# Altium PCB IDC_MCX_Adapter.PCBDOC (part 2 of 3) (continued)
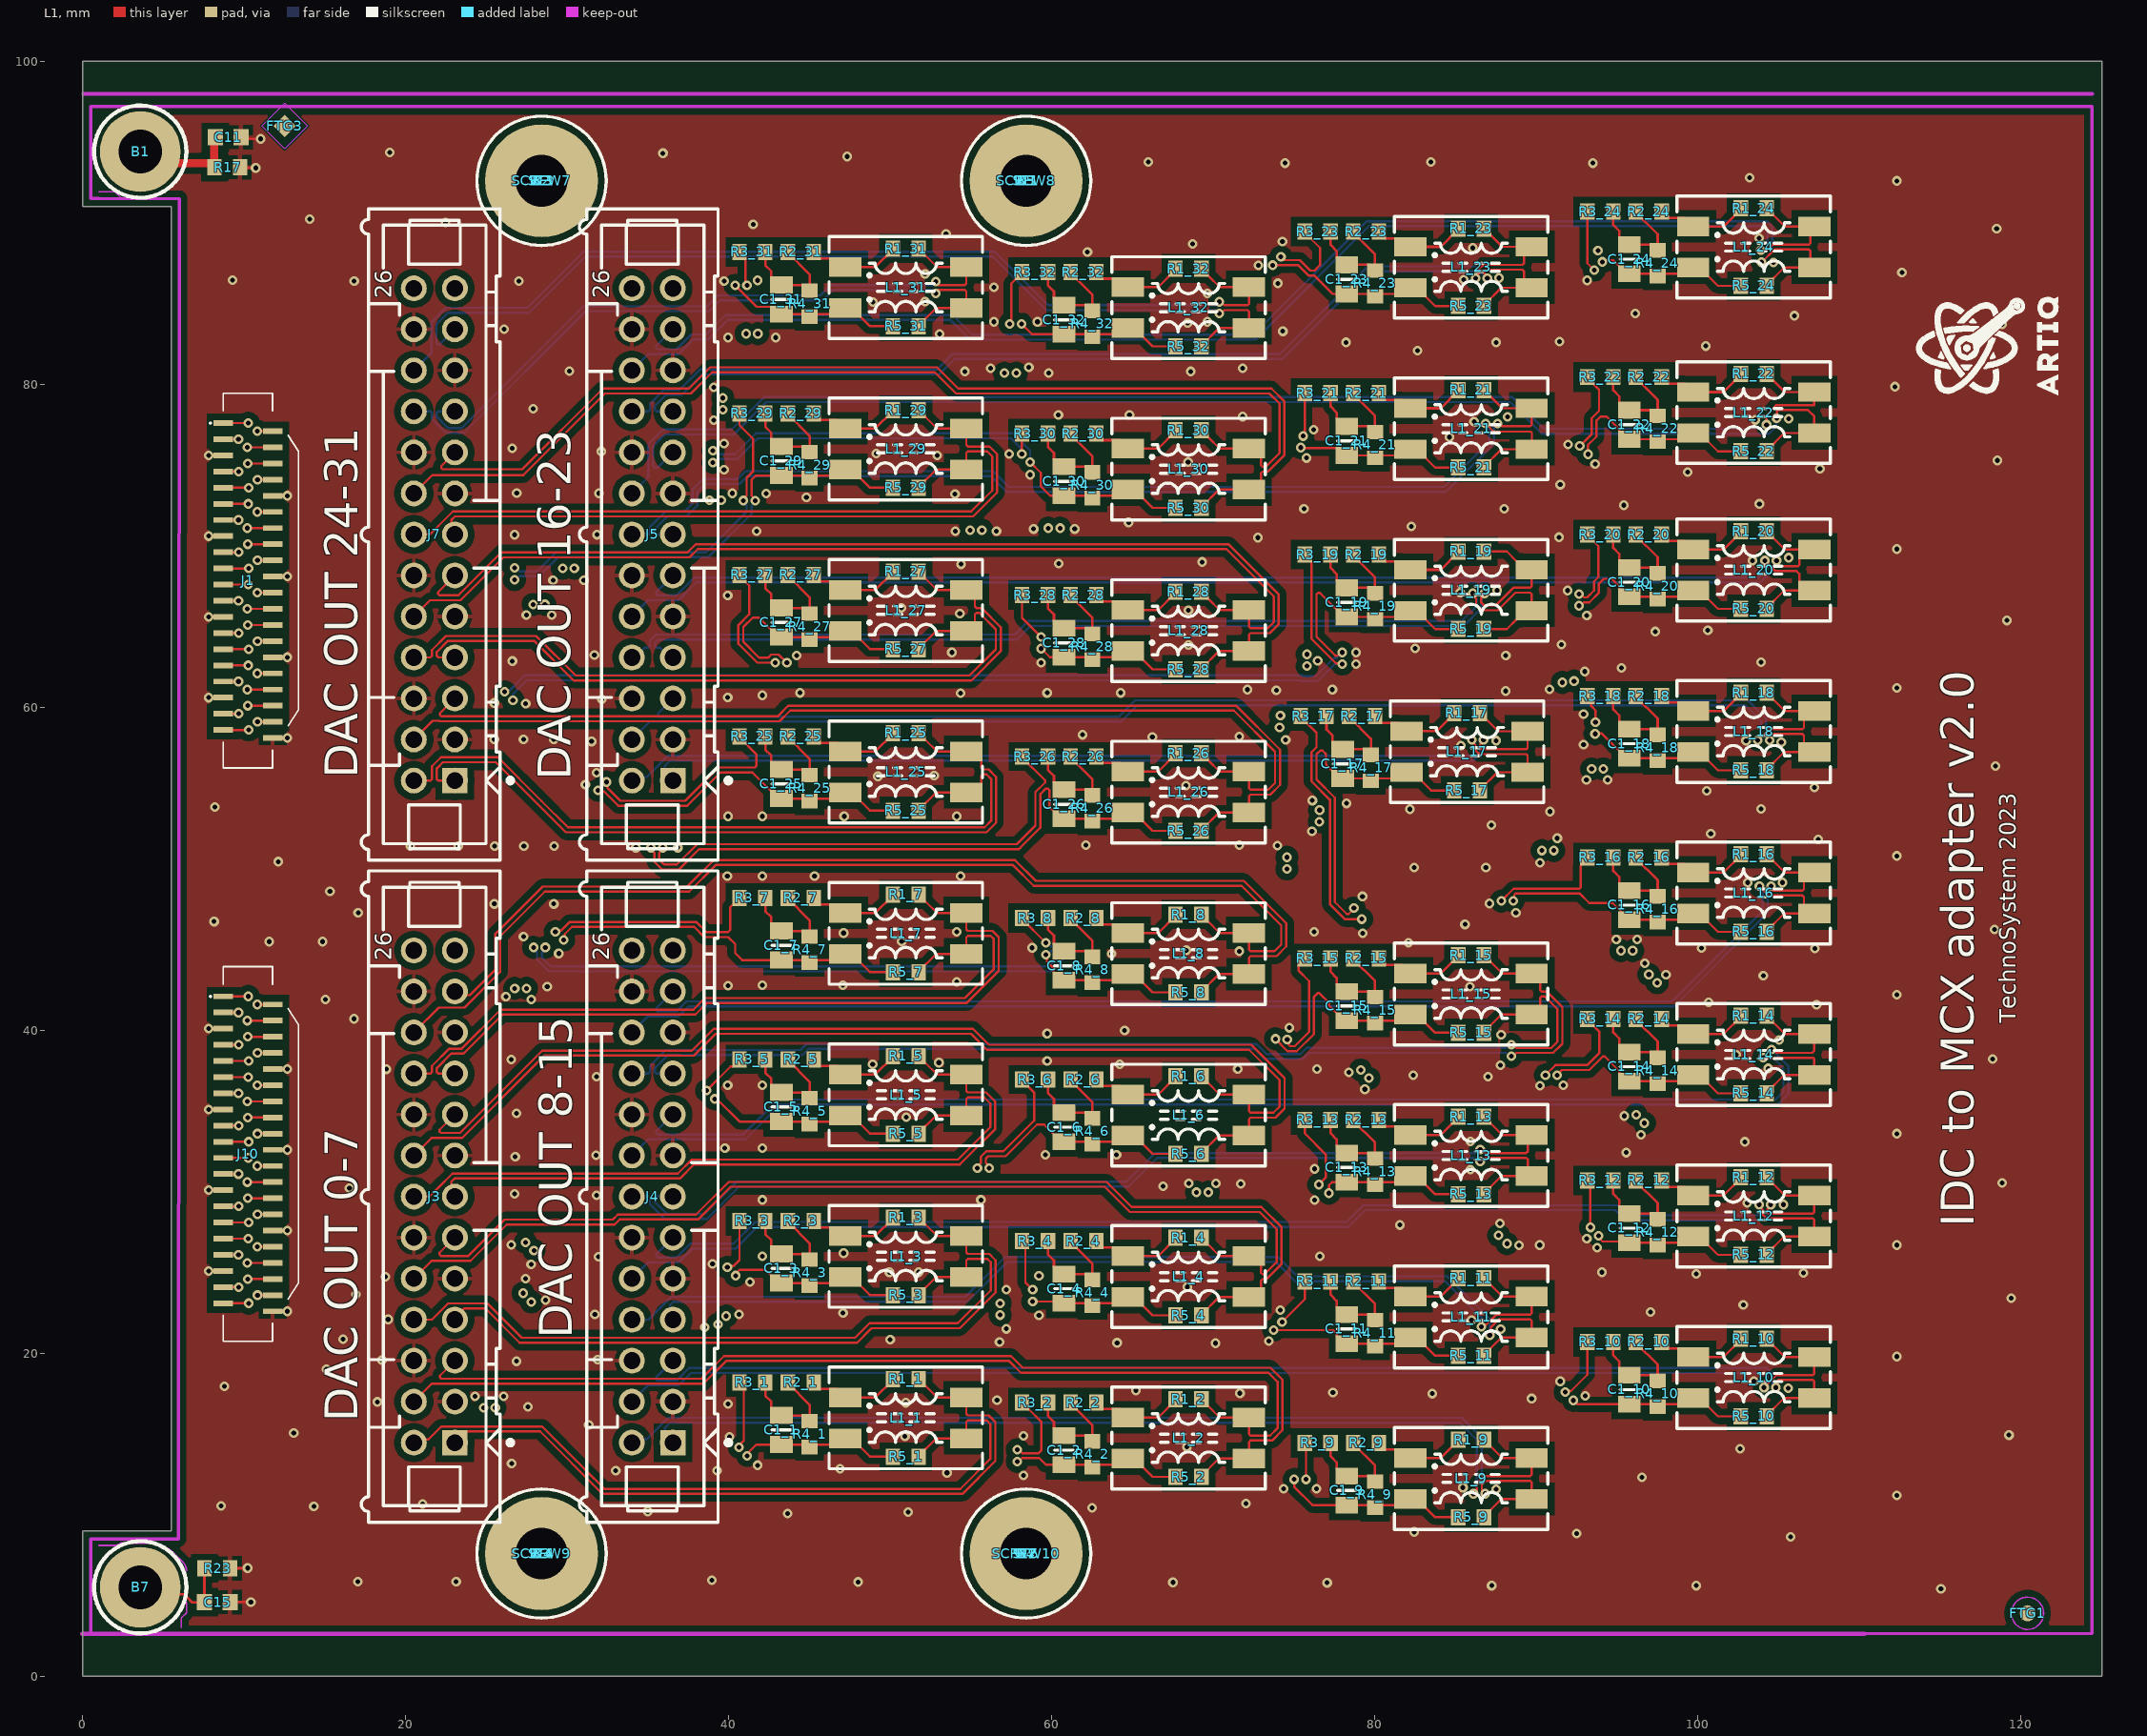
[diagram p0: L1 view]
## Nets (pads, with @x,y where several pads share a name; then routed paths per layer and width w, separated by ;. In a path a pad name is that pad's centre, name@x,y a point inside that pad or via, vN(x,y) a via of type N, cw(c..) or ccw(c..) an arc to the next point about the centre after c; other vN are vias at no path point) (continued)
  L1 w0.137: J7.17@23.032,75.786 22.184,74.938 22.184,74.824 22.264,74.744 27.203,74.744 32.199,79.74 37.524,79.74 38.836,81.051 52.878,81.051 54.19,79.74 73.591,79.74 74.397,78.934 74.397,75.619 73.375,74.598 73.033,74.598 72.944,74.508 72.944,74.004 72.42,73.48 L1_30.3@72.2,73.48 70.33,73.48 69.25,72.4 R5_30.2@69.25,72.35
IN_N31: J7.20 J8.20 L1_31.3 R5_31.2 | length 43.4
  L1 w0.137: R5_31.2@51.75,83.6 51.75,83.65 52.83,84.73 L1_31.3@54.7,84.73 54.7,85.758 54.611,85.848 52.978,85.848 52.807,85.676 v1(52.807,85.637)
  L4 w0.137: J7.20@20.492,78.326 21.521,78.326 21.61,78.237 21.61,77.863 22.48,76.993 23.585,76.993 31.123,84.531 38.78,84.531 39.453,85.204 45.796,85.204 46.439,85.848 52.622,85.848 52.807,85.663 v1(52.807,85.637)
IN_N32: J7.23 J8.23 L1_32.3 R5_32.2 | length 60.9
  L1 w0.137: R5_32.2@69.25,82.35 69.25,82.4 70.33,83.48 L1_32.3@72.2,83.48 72.2,84.508 72.111,84.598 70.67,84.598 70.459,84.387 v1(70.358,84.387)
  L4 w0.137: J7.23@23.032,83.406 22.09,82.464 21.977,82.464 21.896,82.544 21.896,83.725 22.606,84.435 27.635,84.435 31.109,87.909 56.338,87.909 59.65,84.598 70.322,84.598 70.358,84.562 v1(70.358,84.387)
IN_P1: J3.1 J9.1 L1_1.4 R1_1.2 | length 45.1
  L1 w0.137: J9.1@23.032,14.466 23.032,14.535 23.662,15.165 28.304,15.165 32.174,11.295 54.453,11.295 56.496,13.338 56.496,15.741 56.085,16.152 54.789,16.152 54.7,16.242 L1_1.4@54.7,17.27 52.88,17.27 52.174,17.976 52.124,17.976 R1_1.2@51.75,18.35
IN_P2: J3.4 J9.4 L1_2.4 R1_2.2 | length 64.4
  L1 w0.137: J9.4@20.492,17.006 21.611,18.125 38.425,18.125 39.825,19.525 57.344,19.525 58.069,18.8 73.4,18.8 73.965,18.235 73.965,15.366 73.501,14.902 72.289,14.902 72.2,14.992 L1_2.4@72.2,16.02 70.38,16.02 69.674,16.726 69.624,16.726 69.25,17.1 R1_2.2@69.25,17.15
IN_P3: J3.7 J9.7 L1_3.4 R1_3.2 | length 44.4
  L1 w0.137: J9.7@23.032,22.086 23.032,22.19 23.627,22.785 24.917,22.785 27.042,20.66 47.938,20.66 48.833,21.555 54.296,21.555 56.515,23.774 56.515,25.764 56.126,26.152 54.789,26.152 54.7,26.242 L1_3.4@54.7,27.27 52.88,27.27 52.174,27.976 52.124,27.976 R1_3.2@51.75,28.35
IN_P4: J3.10 J9.10 L1_4.4 R1_4.2 | length 65.1
  L1 w0.137: J9.10@20.492,24.626 21.592,25.725 23.998,25.725 26.245,27.973 32.926,27.973 33.238,28.285 38.085,28.285 40.111,30.311 63.263,30.311 64.824,28.75 72.85,28.75 73.914,27.686 73.914,25.657 73.159,24.902 73.033,24.902 72.944,24.992 72.944,25.496 72.42,26.02 L1_4.4@72.2,26.02 70.38,26.02 69.674,26.726 69.624,26.726 69.25,27.1 R1_4.2@69.25,27.15
IN_P5: J3.13 J9.13 L1_5.4 R1_5.2 | length 44.3
  L1 w0.137: J9.13@23.032,29.706 22.807,29.931 22.807,30.621 23.01,30.823 36.959,30.823 37.831,31.695 54.3,31.695 56.49,33.884 56.49,35.585 55.923,36.152 54.789,36.152 54.7,36.242 L1_5.4@54.7,37.27 52.88,37.27 52.174,37.976 52.124,37.976 51.75,38.35 R1_5.2@51.75,38.4
IN_P6: J3.16 J9.16 L1_6.4 R1_6.2 | length 66.1
  L1 w0.137: J9.16@20.492,32.246 21.592,33.345 23.477,33.345 28.567,38.435 36.992,38.435 36.996,38.43 37.83,38.43 39.184,39.784 54.984,39.784 55.969,38.8 72.207,38.8 74.1,36.907 74.1,35.288 73.714,34.902 72.289,34.902 72.2,34.992 L1_6.4@72.2,36.02 70.38,36.02 69.674,36.726 69.624,36.726 69.25,37.1 R1_6.2@69.25,37.15
IN_P7: J3.19 J9.19 L1_7.4 R1_7.2 | length 47.5
  L1 w0.137: J9.19@23.032,37.326 22.004,37.326 21.915,37.415 21.915,37.663 22.81,38.558 23.574,38.558 25.991,40.975 37.927,40.975 38.647,41.695 54.726,41.695 56.705,43.674 56.705,45.774 56.326,46.152 54.789,46.152 54.7,46.242 L1_7.4@54.7,47.27 52.88,47.27 52.174,47.976 52.124,47.976 51.75,48.35 R1_7.2@51.75,48.4
IN_P8: J3.22 J9.22 L1_8.4 R1_8.2 | length 68.7
  L1 w0.137: J9.22@20.492,39.866 22.037,41.411 23.63,41.411 25.832,43.613 25.832,45.822 28.601,48.591 37.542,48.591 39.187,50.236 57.587,50.236 58.876,48.948 71.752,48.948 74.2,46.5 74.2,45.319 73.783,44.902 72.289,44.902 72.2,44.992 L1_8.4@72.2,46.02 70.38,46.02 69.674,46.726 69.624,46.726 69.25,47.1 R1_8.2@69.25,47.15
IN_P9: J4.1 J6.1 L1_9.4 R1_9.2 | length 64.4
  L1 w0.137: v1(86.1,11.303) 86.18,11.383 86.311,11.383 86.311,11.985 86.728,12.402 89.611,12.402 89.7,12.492 L1_9.4@89.7,13.52 87.88,13.52 87.174,14.226 87.124,14.226 86.75,14.6 R1_9.2@86.75,14.65
  L4 w0.137: J6.1@36.532,14.466 36.532,14.858 36.352,14.858 36.037,15.173 36.037,15.367 36.125,15.454 36.125,15.465 36.366,15.706 85.244,15.706 86.311,14.639 86.311,11.615 86.1,11.404 v1(86.1,11.303)
IN_P10: J4.4 J6.4 L1_10.4 R1_10.2 | length 79.9
  L1 w0.137: v1(104.089,17.882) 104.86,18.652 107.111,18.652 107.2,18.742 L1_10.4@107.2,19.77 105.38,19.77 104.674,20.476 104.624,20.476 104.25,20.85 R1_10.2@104.25,20.9
  L4 w0.137: J6.4@33.992,17.006 34.996,18.009 36.881,18.009 37.656,18.784 104.166,18.784 104.3,18.65 104.3,18.078 104.104,17.882 v1(104.089,17.882)
IN_P11: J4.7 J6.7 L1_11.4 R1_11.2 | length 62.4
  L1 w0.137: v1(86.589,21.641) 86.714,21.641 86.844,21.771 86.899,21.771 87.53,22.402 89.611,22.402 89.7,22.492 L1_11.4@89.7,23.52 87.88,23.52 87.174,24.226 87.124,24.226 86.75,24.6 R1_11.2@86.75,24.65
  L4 w0.137: J6.7@36.532,22.086 36.329,22.289 36.352,22.313 36.352,22.987 36.56,23.195 54.766,23.195 57.225,25.654 73.864,25.654 75.058,24.46 84.34,24.46 86.411,22.389 86.734,22.066 86.734,21.911 86.589,21.766 v1(86.589,21.641)
IN_P12: J4.10 J6.10 L1_12.4 R1_12.2 | length 81.2
  L1 w0.137: R1_12.2@104.25,30.9 104.25,30.85 104.624,30.476 104.674,30.476 105.38,29.77 L1_12.4@107.2,29.77 107.2,28.742 107.111,28.652 104.373,28.652 104.292,28.733 104.292,28.898 104.503,29.109 v1(104.503,29.21)
  L4 w0.137: J6.10@33.992,24.626 34.996,25.629 36.881,25.629 37.736,26.484 40.411,26.484 41.753,27.827 78.359,27.827 79.397,28.865 94.878,28.865 95.502,28.241 103.985,28.241 104.29,28.546 104.29,28.896 104.479,29.085 104.503,29.085 v1(104.503,29.21)
IN_P13: J4.13 J6.13 L1_13.4 R1_13.2 | length 62.1
  L1 w0.137: v1(86.512,32.614) 86.613,32.614 86.824,32.402 89.363,32.402 89.453,32.492 89.453,33.273 L1_13.4@89.7,33.52 87.88,33.52 87.174,34.226 87.124,34.226 86.75,34.6 R1_13.2@86.75,34.65
  L4 w0.137: J6.13@36.532,29.706 35.504,29.706 35.415,29.617 35.415,29.369 36.151,28.633 38.515,28.633 40.514,30.632 64.618,30.632 66.388,32.402 86.201,32.402 86.412,32.614 v1(86.512,32.614)
IN_P14: J4.16 J6.16 L1_14.4 R1_14.2 | length 83.6
  L1 w0.137: R1_14.2@104.25,40.9 104.25,40.85 104.624,40.476 104.674,40.476 105.38,39.77 L1_14.4@107.2,39.77 107.2,38.742 107.066,38.608 104.864,38.608 104.655,38.817 v1(104.552,38.817)
  L4 w0.137: J6.16@33.992,32.246 34.996,33.249 41.022,33.249 43.181,35.409 104.929,35.409 105.589,36.069 105.589,37.792 104.564,38.817 v1(104.552,38.817)
IN_P15: J4.19 J6.19 L1_15.4 R1_15.2 | length 67.7
  L1 w0.137: R1_15.2@86.75,44.65 86.75,44.6 87.124,44.226 87.174,44.226 87.88,43.52 L1_15.4@89.7,43.52 90.224,42.996 90.224,42.492 90.313,42.402 90.632,42.402 91.605,41.43 91.605,39.174 91.031,38.6 88.755,38.6 88.543,38.389 v1(88.443,38.389)
  L4 w0.137: J6.19@36.532,37.326 35.504,37.326 35.415,37.415 35.415,37.663 36.229,38.477 44.564,38.477 44.939,38.852 72.527,38.852 73.152,38.227 75.514,38.227 75.895,38.608 88.123,38.608 88.342,38.389 v1(88.443,38.389)
IN_P16: J4.22 J6.22 L1_16.4 R1_16.2 | length 82.1
  L1 w0.137: R1_16.2@104.25,50.9 104.25,50.85 104.624,50.476 104.674,50.476 105.38,49.77 L1_16.4@107.076,49.77 ; v1(104.529,48.92) 104.535,48.914 104.535,48.652 106.463,48.652 106.553,48.742 106.553,49.246 L1_16.4@107.076,49.77 ; L1_16.4@107.2,49.77 L1_16.4@107.076,49.77
  L4 w0.137: J6.22@33.992,39.866 34.996,40.869 36.881,40.869 37.496,41.484 98.516,41.484 104.318,47.287 104.318,48.609 104.529,48.82 v1(104.529,48.92)
IN_P17: J2.1 J5.1 L1_17.4 R1_17.2 | length 61.1
  L1 w0.137: R1_17.2@86.5,59.65 86.5,59.6 86.874,59.226 86.924,59.226 87.63,58.52 L1_17.4@89.45,58.52 89.45,57.492 89.361,57.402 86.874,57.402 86.872,57.404 86.585,57.404 86.505,57.484 86.505,57.676 86.716,57.888 v1(86.716,57.988)
  L4 w0.137: J5.1@36.532,55.466 36.532,55.845 36.352,55.845 36.024,56.173 36.024,56.367 36.1,56.442 36.358,56.7 86.076,56.7 86.505,57.129 86.505,57.908 86.636,57.908 v1(86.716,57.988)
IN_P18: J2.4 J5.4 L1_18.4 R1_18.2 | length 80.4
  L1 w0.137: v1(103.7,57.963) 103.709,57.963 104.399,58.652 106.463,58.652 106.553,58.742 106.553,59.246 L1_18.4@107.076,59.77 ; R1_18.2@104.25,60.9 104.25,60.85 104.624,60.476 104.674,60.476 105.38,59.77 L1_18.4@107.076,59.77 ; L1_18.4@107.2,59.77 L1_18.4@107.076,59.77
  L4 w0.137: J5.4@33.992,58.006 35.106,59.12 64.275,59.12 65.286,60.13 102.948,60.13 103.911,59.167 103.911,58.275 103.7,58.063 v1(103.7,57.963)
IN_P19: J2.7 J5.7 L1_19.4 R1_19.2 | length 63.5
  L1 w0.137: R1_19.2@86.75,69.65 88.16,69.65 88.759,69.051 89.169,69.051 L1_19.4@89.7,68.52 89.7,67.492 89.611,67.402 88.565,67.402 87.473,66.31 86.76,66.31 86.563,66.507 86.563,66.744 86.774,66.955 v1(86.774,67.056)
  L4 w0.137: J5.7@36.532,63.086 36.341,63.086 35.727,63.7 35.504,63.7 35.415,63.789 35.415,64 35.615,64.2 57.824,64.2 58.664,65.04 85.491,65.04 86.605,66.154 86.605,66.8 86.774,66.97 v1(86.774,67.056)
IN_P20: J2.10 J5.10 L1_20.4 R1_20.2 | length 78.4
  L1 w0.137: R1_20.2@104.25,70.9 104.25,70.85 104.624,70.476 104.674,70.476 105.38,69.77 106.8,69.77 106.276,69.246 106.276,68.822 106.196,68.742 105.114,68.742 104.859,68.997 v1(104.859,69.088)
  L4 w0.137: J5.10@33.992,65.626 34.996,66.629 36.881,66.629 37.982,67.73 103.872,67.73 104.648,68.507 104.648,68.776 104.859,68.987 v1(104.859,69.088)
IN_P21: J2.13 J5.13 L1_21.4 R1_21.2 | length 65
  L1 w0.137: R1_21.2@86.75,79.65 86.75,79.6 87.124,79.226 87.174,79.226 87.88,78.52 L1_21.4@89.7,78.52 89.7,77.492 89.611,77.402 87.882,77.402 87.712,77.572 v1(87.587,77.572)
  L4 w0.137: J5.13@36.532,70.706 35.504,70.706 35.415,70.795 35.415,71.043 36.203,71.831 36.83,71.831 37.388,71.831 38.049,72.492 38.049,73.355 38.526,73.832 40.66,73.832 41.148,74.32 56.222,74.32 57.193,73.349 84.394,73.349 87.376,76.332 87.376,77.491 87.507,77.491 v1(87.587,77.572)
IN_P22: J2.16 J5.16 L1_22.4 R1_22.2 | length 83
  L1 w0.137: v1(104.242,77.495) 104.17,77.567 104.242,77.638 104.242,78.117 104.835,78.711 107.196,78.711 107.2,78.714 L1_22.4@107.2,79.52 105.38,79.52 104.674,80.226 104.624,80.226 104.25,80.6 R1_22.2@104.25,80.65
  L4 w0.137: J5.16@33.992,73.246 35.002,74.256 35.002,76.304 35.902,77.203 40.172,77.203 42.174,79.205 88.495,79.205 89.184,78.516 90.45,77.25 103.871,77.25 104.116,77.495 v1(104.242,77.495)
IN_P23: J2.19 J5.19 L1_23.4 R1_23.2 | length 64.3
  L1 w0.137: v1(86.225,86.563) 86.225,86.664 86.436,86.875 86.436,87.144 86.695,87.402 89.129,87.402 89.218,87.492 89.218,88.038 L1_23.4@89.7,88.52 87.88,88.52 87.174,89.226 87.124,89.226 86.75,89.6 R1_23.2@86.75,89.65
  L4 w0.137: J5.19@36.532,78.326 35.504,78.326 35.415,78.415 35.415,78.663 36.107,79.355 37.081,79.355 38.337,80.611 53.011,80.611 53.968,81.568 74.253,81.568 79.685,87 86.06,87 86.141,86.92 86.141,86.648 v1(86.225,86.563)
IN_P24: J2.22 J5.22 L1_24.4 R1_24.2 | length 84.5
  L1 w0.137: v1(103.884,88.316) 103.913,88.345 104.296,88.345 104.603,88.652 106.86,88.652 106.949,88.742 106.949,89.519 L1_24.4@107.2,89.77 105.38,89.77 104.674,90.476 104.624,90.476 104.25,90.85 R1_24.2@104.25,90.9
  L4 w0.137: J5.22@33.992,80.866 34.996,81.869 36.881,81.869 37.796,82.784 38.715,82.784 39.914,83.983 53.727,83.983 54.945,82.765 72.596,82.765 79.631,89.8 104.129,89.8 104.292,89.637 104.292,88.509 104.188,88.405 103.972,88.405 v1(103.884,88.316)
IN_P25: J7.1 J8.1 L1_25.4 R1_25.2 | length 47.7
  L1 w0.137: J7.1@23.032,55.466 22.004,55.466 21.915,55.555 21.915,56.222 22.293,56.6 25.569,56.6 28.077,54.092 29.906,52.263 55.955,52.263 56.54,52.849 56.54,55.693 56.081,56.152 55.713,56.152 55.624,56.242 55.624,56.746 55.1,57.27 L1_25.4@54.7,57.27 52.88,57.27 52.174,57.976 52.124,57.976 51.75,58.35 R1_25.2@51.75,58.4
IN_P26: J7.4 J8.4 L1_26.4 R1_26.2 | length 63.4
  L1 w0.137: J7.4@20.492,58.006 21.652,59.165 22.039,59.165 22.072,59.133 43.133,59.133 43.8,59.8 71.265,59.8 73.812,57.252 73.812,55.32 73.394,54.902 72.289,54.902 72.2,54.992 L1_26.4@72.2,56.02 70.38,56.02 69.674,56.726 69.624,56.726 69.25,57.1 R1_26.2@69.25,57.15
IN_P27: J7.7 J8.7 L1_27.4 R1_27.2 | length 46.7
  L1 w0.137: J7.7@23.032,63.086 22.004,63.086 21.915,63.175 21.915,63.423 22.606,64.115 27.939,64.115 30.393,61.661 55.019,61.661 56.826,63.468 56.826,64.958 55.632,66.152 55.317,66.152 55.227,66.242 55.227,66.746 54.703,67.27 L1_27.4@54.7,67.27 52.88,67.27 52.174,67.976 52.124,67.976 51.75,68.35 R1_27.2@51.75,68.4
IN_P28: J7.10 J8.10 L1_28.4 R1_28.2 | length 64
  L1 w0.137: J7.10@20.492,65.626 21.496,66.629 23.381,66.629 26.036,69.284 37.561,69.284 38.077,69.8 70.795,69.8 73.736,66.859 73.736,65.277 73.361,64.902 72.289,64.902 72.2,64.992 L1_28.4@72.2,66.02 70.38,66.02 69.674,66.726 69.624,66.726 69.25,67.1 R1_28.2@69.25,67.15
IN_P29: J7.13 J8.13 L1_29.4 R1_29.2 | length 44.5
  L1 w0.137: J7.13@23.032,70.706 22.829,70.909 22.829,71.621 23.033,71.825 55.125,71.825 56.606,73.305 56.606,75.669 56.123,76.152 54.789,76.152 54.7,76.242 L1_29.4@54.7,77.27 52.88,77.27 52.174,77.976 52.124,77.976 51.75,78.35 R1_29.2@51.75,78.4
IN_P30: J7.16 J8.16 L1_30.4 R1_30.2 | length 67
  L1 w0.137: J7.16@20.492,73.246 21.623,74.376 27.267,74.376 32.326,79.435 37.65,79.435 38.962,80.747 52.752,80.747 54.063,79.435 73.465,79.435 74.092,78.808 74.092,75.745 73.249,74.902 73.033,74.902 72.944,74.992 72.944,75.496 72.42,76.02 L1_30.4@72.2,76.02 70.38,76.02 69.674,76.726 69.624,76.726 69.25,77.1 R1_30.2@69.25,77.15
IN_P31: J7.19 J8.19 L1_31.4 R1_31.2 | length 42.9
  L1 w0.137: R1_31.2@51.75,88.4 51.75,88.35 52.124,87.976 52.174,87.976 52.88,87.27 L1_31.4@54.7,87.27 54.7,86.242 54.611,86.152 52.978,86.152 52.807,86.324 v1(52.807,86.364)
  L4 w0.137: J7.19@23.032,78.326 22.004,78.326 21.915,78.237 21.915,77.989 22.606,77.298 23.459,77.298 30.997,84.836 38.654,84.836 39.326,85.509 45.67,85.509 46.313,86.152 52.622,86.152 52.807,86.337 v1(52.807,86.364)
IN_P32: J7.22 J8.22 L1_32.4 R1_32.2 | length 62
  L1 w0.137: R1_32.2@69.25,87.15 69.25,87.1 69.624,86.726 69.674,86.726 70.38,86.02 L1_32.4@72.2,86.02 72.2,84.992 72.111,84.902 70.67,84.902 70.459,85.114 v1(70.358,85.114)
  L4 w0.137: J7.22@20.492,80.866 21.592,81.965 21.592,83.851 22.48,84.74 27.509,84.74 30.983,88.214 56.464,88.214 59.776,84.902 70.322,84.902 70.358,84.938 v1(70.358,85.114)
N13V0_SCSIa: J3.26 J9.26
N13V0_SCSIb: J4.26 J6.26
N13V0_SCSIc: J2.26 J5.26
N13V0_SCSId: J7.26 J8.26
NetB1_1: B1.1 C11.1 R17.1 | length 6.6
  L1 w0.508: B1.1@3.556,94.412 4.282,93.686 R17.1@7.946,93.686 ; C11.1@8.1,95.3 8.121,95.279 8.121,93.461 R17.1@8.142,93.44
NetB7_1: B7.1 C15.1 R23.1 | length 6.4
  L1 w0.152: B7.1@3.556,5.512 4,5.068 6.285,5.068 6.667,4.686 6.667,4.67 6.756,4.581 7.424,4.581 7.524,4.681 R23.1@7.524,6.673
NetC1_1_2: C1_1.2 R2_1.1 R3_1.2 R4_1.2 | length 7.4
  L1 w0.152: R3_1.2@42.25,18.2 42.25,17.376 42.626,16.999 42.626,16.599 43.075,16.15 C1_1.2@43.25,16.15 44.65,16.15 R4_1.2@45,15.8 45,16.8 43.65,18.15 R2_1.1@43.65,18.2
NetC1_2_2: C1_2.2 R2_2.1 R3_2.2 R4_2.2 | length 7.4
  L1 w0.152: R3_2.2@59.75,16.95 59.75,16.126 60.126,15.749 60.126,15.349 60.575,14.9 C1_2.2@60.75,14.9 62.15,14.9 R4_2.2@62.5,14.55 62.5,15.55 61.15,16.9 R2_2.1@61.15,16.95
NetC1_3_2: C1_3.2 R2_3.1 R3_3.2 R4_3.2 | length 7.4
  L1 w0.152: R3_3.2@42.25,28.2 42.25,27.376 42.626,26.999 42.626,26.599 43.075,26.15 C1_3.2@43.25,26.15 44.65,26.15 R4_3.2@45,25.8 45,26.8 R2_3.1@43.65,28.15
NetC1_4_2: C1_4.2 R2_4.1 R3_4.2 R4_4.2 | length 7.4
  L1 w0.152: R3_4.2@59.75,26.95 59.75,26.126 60.126,25.749 60.126,25.349 60.575,24.9 C1_4.2@60.75,24.9 62.15,24.9 R4_4.2@62.5,24.55 62.5,25.55 61.15,26.9 R2_4.1@61.15,26.95
NetC1_5_2: C1_5.2 R2_5.1 R3_5.2 R4_5.2 | length 7.4
  L1 w0.152: R3_5.2@42.25,38.2 42.25,37.376 42.626,36.999 42.626,36.599 43.075,36.15 C1_5.2@43.25,36.15 44.65,36.15 R4_5.2@45,35.8 45,36.8 43.65,38.15 R2_5.1@43.65,38.2
NetC1_6_2: C1_6.2 R2_6.1 R3_6.2 R4_6.2 | length 7.4
  L1 w0.152: R3_6.2@59.75,36.95 59.75,36.126 60.126,35.749 60.126,35.349 60.575,34.9 C1_6.2@60.75,34.9 62.15,34.9 R4_6.2@62.5,34.55 62.5,35.55 61.15,36.9 R2_6.1@61.15,36.95
NetC1_7_2: C1_7.2 R2_7.1 R3_7.2 R4_7.2 | length 7.4
  L1 w0.152: R3_7.2@42.25,48.2 42.25,47.376 42.626,46.999 42.626,46.599 43.075,46.15 C1_7.2@43.25,46.15 44.65,46.15 R4_7.2@45,45.8 45,46.8 43.65,48.15 R2_7.1@43.65,48.2
NetC1_8_2: C1_8.2 R2_8.1 R3_8.2 R4_8.2 | length 7.4
  L1 w0.152: R3_8.2@59.75,46.95 59.75,46.244 60.126,45.868 60.126,45.349 60.575,44.9 C1_8.2@60.75,44.9 62.15,44.9 R4_8.2@62.5,44.55 62.5,45.55 61.15,46.9 R2_8.1@61.15,46.95
NetC1_9_2: C1_9.2 R2_9.1 R3_9.2 R4_9.2 | length 7.4
  L1 w0.152: R3_9.2@77.25,14.45 77.25,13.626 77.626,13.249 77.626,12.849 78.075,12.4 C1_9.2@78.25,12.4 79.65,12.4 R4_9.2@80,12.05 80,13.05 78.65,14.4 R2_9.1@78.65,14.45
NetC1_10_2: C1_10.2 R2_10.1 R3_10.2 R4_10.2 | length 7.4
  L1 w0.152: R3_10.2@94.75,20.7 94.75,19.876 95.126,19.499 95.126,19.099 95.575,18.65 C1_10.2@95.75,18.65 97.15,18.65 R4_10.2@97.5,18.3 97.5,19.3 96.15,20.65 R2_10.1@96.15,20.7
NetC1_11_2: C1_11.2 R2_11.1 R3_11.2 R4_11.2 | length 7.4
  L1 w0.152: R3_11.2@77.25,24.45 77.25,23.626 77.626,23.249 77.626,22.849 78.075,22.4 C1_11.2@78.25,22.4 79.65,22.4 R4_11.2@80,22.05 80,23.05 78.65,24.4 R2_11.1@78.65,24.45
NetC1_12_2: C1_12.2 R2_12.1 R3_12.2 R4_12.2 | length 7.4
  L1 w0.152: R3_12.2@94.75,30.7 94.75,29.876 95.126,29.499 95.126,29.099 95.575,28.65 C1_12.2@95.75,28.65 97.15,28.65 R4_12.2@97.5,28.3 97.5,29.3 96.15,30.65 R2_12.1@96.15,30.7
NetC1_13_2: C1_13.2 R2_13.1 R3_13.2 R4_13.2 | length 7.4
  L1 w0.152: R3_13.2@77.25,34.45 77.25,33.626 77.626,33.249 77.626,32.849 78.075,32.4 C1_13.2@78.25,32.4 79.65,32.4 R4_13.2@80,32.05 80,33.05 78.65,34.4 R2_13.1@78.65,34.45
NetC1_14_2: C1_14.2 R2_14.1 R3_14.2 R4_14.2 | length 7.4
  L1 w0.152: R3_14.2@94.75,40.7 94.75,39.876 95.126,39.499 95.126,39.099 95.575,38.65 C1_14.2@95.75,38.65 97.15,38.65 R4_14.2@97.5,38.3 97.5,39.3 96.15,40.65 R2_14.1@96.15,40.7
NetC1_15_2: C1_15.2 R2_15.1 R3_15.2 R4_15.2 | length 7.4
  L1 w0.152: R3_15.2@77.25,44.45 77.25,43.626 77.626,43.249 77.626,42.849 78.075,42.4 C1_15.2@78.25,42.4 79.65,42.4 R4_15.2@80,42.05 80,43.05 78.65,44.4 R2_15.1@78.65,44.45
NetC1_16_2: C1_16.2 R2_16.1 R3_16.2 R4_16.2 | length 7.4
  L1 w0.152: R3_16.2@94.75,50.7 94.75,49.876 95.126,49.499 95.126,49.099 95.575,48.65 C1_16.2@95.75,48.65 97.15,48.65 R4_16.2@97.5,48.3 97.5,49.3 96.15,50.65 R2_16.1@96.15,50.7
NetC1_17_2: C1_17.2 R2_17.1 R3_17.2 R4_17.2 | length 7.4
  L1 w0.152: R3_17.2@77,59.45 77,58.626 77.376,58.249 77.376,57.849 77.825,57.4 C1_17.2@78,57.4 79.4,57.4 R4_17.2@79.75,57.05 79.75,58.05 78.4,59.4 R2_17.1@78.4,59.45
NetC1_18_2: C1_18.2 R2_18.1 R3_18.2 R4_18.2 | length 7.4
  L1 w0.152: R3_18.2@94.75,60.7 94.75,59.876 95.126,59.499 95.126,59.099 95.575,58.65 C1_18.2@95.75,58.65 97.15,58.65 R4_18.2@97.5,58.3 97.5,59.3 96.15,60.65 R2_18.1@96.15,60.7
NetC1_19_2: C1_19.2 R2_19.1 R3_19.2 R4_19.2 | length 7.4
  L1 w0.152: R3_19.2@77.25,69.45 77.25,68.626 77.626,68.249 77.626,67.849 78.075,67.4 C1_19.2@78.25,67.4 79.65,67.4 R4_19.2@80,67.05 80,68.05 78.65,69.4 R2_19.1@78.65,69.45
NetC1_20_2: C1_20.2 R2_20.1 R3_20.2 R4_20.2 | length 7.4
  L1 w0.152: R3_20.2@94.75,70.7 94.75,69.876 95.126,69.499 95.126,69.099 95.575,68.65 C1_20.2@95.75,68.65 97.15,68.65 R4_20.2@97.5,68.3 97.5,69.3 96.15,70.65 R2_20.1@96.15,70.7
NetC1_21_2: C1_21.2 R2_21.1 R3_21.2 R4_21.2 | length 7.4
  L1 w0.152: R3_21.2@77.25,79.45 77.25,78.626 77.626,78.249 77.626,77.849 78.075,77.4 C1_21.2@78.25,77.4 79.65,77.4 R4_21.2@80,77.05 80,78.05 78.65,79.4 R2_21.1@78.65,79.45
NetC1_22_2: C1_22.2 R2_22.1 R3_22.2 R4_22.2 | length 7.4
  L1 w0.152: R3_22.2@94.75,80.45 94.75,79.626 95.126,79.249 95.126,78.849 95.575,78.4 C1_22.2@95.75,78.4 97.15,78.4 R4_22.2@97.5,78.05 97.5,79.05 96.15,80.4 R2_22.1@96.15,80.45
NetC1_23_2: C1_23.2 R2_23.1 R3_23.2 R4_23.2 | length 7.4
  L1 w0.152: R3_23.2@77.25,89.45 77.25,88.626 77.626,88.249 77.626,87.849 78.075,87.4 C1_23.2@78.25,87.4 79.65,87.4 R4_23.2@80,87.05 80,88.05 78.65,89.4 R2_23.1@78.65,89.45
NetC1_24_2: C1_24.2 R2_24.1 R3_24.2 R4_24.2 | length 7.4
  L1 w0.152: R3_24.2@94.75,90.7 94.75,89.876 95.126,89.499 95.126,89.099 95.575,88.65 C1_24.2@95.75,88.65 97.15,88.65 R4_24.2@97.5,88.3 97.5,89.3 96.15,90.65 R2_24.1@96.15,90.7
NetC1_25_2: C1_25.2 R2_25.1 R3_25.2 R4_25.2 | length 7.4
  L1 w0.152: R3_25.2@42.25,58.2 42.25,57.376 42.626,56.999 42.626,56.599 43.075,56.15 C1_25.2@43.25,56.15 44.65,56.15 R4_25.2@45,55.8 45,56.8 43.65,58.15 R2_25.1@43.65,58.2
NetC1_26_2: C1_26.2 R2_26.1 R3_26.2 R4_26.2 | length 7.4
  L1 w0.152: R3_26.2@59.75,56.95 59.75,56.126 60.126,55.749 60.126,55.349 60.575,54.9 C1_26.2@60.75,54.9 62.15,54.9 R4_26.2@62.5,54.55 62.5,55.55 61.15,56.9 R2_26.1@61.15,56.95
NetC1_27_2: C1_27.2 R2_27.1 R3_27.2 R4_27.2 | length 7.4
  L1 w0.152: R3_27.2@42.25,68.2 42.25,67.376 42.626,66.999 42.626,66.599 43.075,66.15 C1_27.2@43.25,66.15 44.65,66.15 R4_27.2@45,65.8 45,66.8 43.65,68.15 R2_27.1@43.65,68.2
NetC1_28_2: C1_28.2 R2_28.1 R3_28.2 R4_28.2 | length 7.4
  L1 w0.152: R3_28.2@59.75,66.95 59.75,66.126 60.126,65.749 60.126,65.349 60.575,64.9 C1_28.2@60.75,64.9 62.15,64.9 R4_28.2@62.5,64.55 62.5,65.55 61.15,66.9 R2_28.1@61.15,66.95
NetC1_29_2: C1_29.2 R2_29.1 R3_29.2 R4_29.2 | length 7.4
  L1 w0.152: R3_29.2@42.25,78.2 42.25,77.376 42.626,76.999 42.626,76.599 43.075,76.15 C1_29.2@43.25,76.15 44.65,76.15 R4_29.2@45,75.8 45,76.8 43.65,78.15 R2_29.1@43.65,78.2
NetC1_30_2: C1_30.2 R2_30.1 R3_30.2 R4_30.2 | length 7.4
  L1 w0.152: R3_30.2@59.75,76.95 59.75,76.126 60.126,75.749 60.126,75.349 60.575,74.9 C1_30.2@60.75,74.9 62.15,74.9 R4_30.2@62.5,74.55 62.5,75.55 61.15,76.9 R2_30.1@61.15,76.95
NetC1_31_2: C1_31.2 R2_31.1 R3_31.2 R4_31.2 | length 7.4
  L1 w0.152: R3_31.2@42.25,88.2 42.25,87.376 42.626,86.999 42.626,86.599 43.075,86.15 C1_31.2@43.25,86.15 44.65,86.15 R4_31.2@45,85.8 45,86.8 43.65,88.15 R2_31.1@43.65,88.2
NetC1_32_2: C1_32.2 R2_32.1 R3_32.2 R4_32.2 | length 7.4
  L1 w0.152: R3_32.2@59.75,86.95 59.75,86.126 60.126,85.749 60.126,85.349 60.575,84.9 C1_32.2@60.75,84.9 62.15,84.9 R4_32.2@62.5,84.55 62.5,85.55 61.15,86.9 R2_32.1@61.15,86.95
NetL1_1_1: L1_1.1 R1_1.1 R2_1.2 | length 5.8
  L1 w0.152: R2_1.2@45.25,18.2 45.25,18.168 45.624,17.794 46.676,17.794 L1_1.1@47.2,17.27 49.07,17.27 R1_1.1@50.15,18.35
NetL1_2_1: L1_2.1 R1_2.1 R2_2.2 | length 5.8
  L1 w0.152: R2_2.2@62.75,16.95 62.75,16.918 63.124,16.544 64.176,16.544 L1_2.1@64.7,16.02 66.57,16.02 67.65,17.1 R1_2.1@67.65,17.15
NetL1_3_1: L1_3.1 R1_3.1 R2_3.2 | length 5.7
  L1 w0.152: R2_3.2@45.25,28.168 45.624,27.794 46.676,27.794 L1_3.1@47.2,27.27 49.07,27.27 R1_3.1@50.15,28.35
NetL1_4_1: L1_4.1 R1_4.1 R2_4.2 | length 5.8
  L1 w0.152: R2_4.2@62.75,26.95 62.75,26.918 63.124,26.544 64.176,26.544 L1_4.1@64.7,26.02 66.57,26.02 67.65,27.1 R1_4.1@67.65,27.15
NetL1_5_1: L1_5.1 R1_5.1 R2_5.2 | length 5.8
  L1 w0.152: R2_5.2@45.25,38.2 45.25,38.168 45.624,37.794 46.676,37.794 L1_5.1@47.2,37.27 49.07,37.27 50.15,38.35 R1_5.1@50.15,38.4
NetL1_6_1: L1_6.1 R1_6.1 R2_6.2 | length 5.8
  L1 w0.152: R2_6.2@62.75,36.95 62.75,36.918 63.124,36.544 64.176,36.544 L1_6.1@64.7,36.02 66.57,36.02 67.65,37.1 R1_6.1@67.65,37.15
NetL1_7_1: L1_7.1 R1_7.1 R2_7.2 | length 5.8
  L1 w0.152: R2_7.2@45.25,48.2 45.25,48.168 45.624,47.794 46.676,47.794 L1_7.1@47.2,47.27 49.07,47.27 50.15,48.35 R1_7.1@50.15,48.4
NetL1_8_1: L1_8.1 R1_8.1 R2_8.2 | length 5.8
  L1 w0.152: R2_8.2@62.75,46.95 62.75,46.918 63.124,46.544 64.176,46.544 L1_8.1@64.7,46.02 66.57,46.02 67.65,47.1 R1_8.1@67.65,47.15
NetL1_9_1: L1_9.1 R1_9.1 R2_9.2 | length 5.8
  L1 w0.152: R2_9.2@80.25,14.45 80.25,14.418 80.624,14.044 81.676,14.044 L1_9.1@82.2,13.52 84.07,13.52 85.15,14.6 R1_9.1@85.15,14.65
NetL1_10_1: L1_10.1 R1_10.1 R2_10.2 | length 5.8
  L1 w0.152: R2_10.2@97.75,20.7 97.75,20.668 98.124,20.294 99.176,20.294 L1_10.1@99.7,19.77 101.57,19.77 102.65,20.85 R1_10.1@102.65,20.9
NetL1_11_1: L1_11.1 R1_11.1 R2_11.2 | length 5.8
  L1 w0.152: R2_11.2@80.25,24.45 80.25,24.418 80.624,24.044 81.676,24.044 L1_11.1@82.2,23.52 84.07,23.52 85.15,24.6 R1_11.1@85.15,24.65
NetL1_12_1: L1_12.1 R1_12.1 R2_12.2 | length 5.8
  L1 w0.152: R2_12.2@97.75,30.7 97.75,30.668 98.124,30.294 99.176,30.294 L1_12.1@99.7,29.77 101.57,29.77 102.65,30.85 R1_12.1@102.65,30.9
NetL1_13_1: L1_13.1 R1_13.1 R2_13.2 | length 5.8
  L1 w0.152: R2_13.2@80.25,34.45 80.25,34.418 80.624,34.044 81.676,34.044 L1_13.1@82.2,33.52 84.07,33.52 85.15,34.6 R1_13.1@85.15,34.65
NetL1_14_1: L1_14.1 R1_14.1 R2_14.2 | length 5.8
  L1 w0.152: R2_14.2@97.75,40.7 97.75,40.668 98.124,40.294 99.176,40.294 L1_14.1@99.7,39.77 101.57,39.77 102.65,40.85 R1_14.1@102.65,40.9
NetL1_15_1: L1_15.1 R1_15.1 R2_15.2 | length 5.8
  L1 w0.152: R2_15.2@80.25,44.45 80.25,44.418 80.624,44.044 81.676,44.044 L1_15.1@82.2,43.52 84.07,43.52 85.15,44.6 R1_15.1@85.15,44.65
NetL1_16_1: L1_16.1 R1_16.1 R2_16.2 | length 5.8
  L1 w0.152: R2_16.2@97.75,50.7 97.75,50.668 98.124,50.294 99.176,50.294 L1_16.1@99.7,49.77 101.57,49.77 102.65,50.85 R1_16.1@102.65,50.9
NetL1_17_1: L1_17.1 R1_17.1 R2_17.2 | length 5.8
  L1 w0.152: R2_17.2@80,59.45 80,59.418 80.374,59.044 81.426,59.044 L1_17.1@81.95,58.52 83.82,58.52 84.9,59.6 R1_17.1@84.9,59.65
NetL1_18_1: L1_18.1 R1_18.1 R2_18.2 | length 5.8
  L1 w0.152: R2_18.2@97.75,60.7 97.75,60.668 98.124,60.294 99.176,60.294 L1_18.1@99.7,59.77 101.57,59.77 102.65,60.85 R1_18.1@102.65,60.9
NetL1_19_1: L1_19.1 R1_19.1 R2_19.2 | length 5.8
  L1 w0.152: R2_19.2@80.25,69.45 80.25,69.418 80.624,69.044 81.676,69.044 L1_19.1@82.2,68.52 84.07,68.52 85.15,69.6 R1_19.1@85.15,69.65
NetL1_20_1: L1_20.1 R1_20.1 R2_20.2 | length 5.8
  L1 w0.152: R2_20.2@97.75,70.7 97.75,70.668 98.124,70.294 99.176,70.294 L1_20.1@99.7,69.77 101.57,69.77 102.65,70.85 R1_20.1@102.65,70.9
NetL1_21_1: L1_21.1 R1_21.1 R2_21.2 | length 5.8
  L1 w0.152: R2_21.2@80.25,79.45 80.25,79.418 80.624,79.044 81.676,79.044 L1_21.1@82.2,78.52 84.07,78.52 85.15,79.6 R1_21.1@85.15,79.65
NetL1_22_1: L1_22.1 R1_22.1 R2_22.2 | length 5.8
  L1 w0.152: R2_22.2@97.75,80.45 97.75,80.418 98.124,80.044 99.176,80.044 L1_22.1@99.7,79.52 101.57,79.52 102.65,80.6 R1_22.1@102.65,80.65
NetL1_23_1: L1_23.1 R1_23.1 R2_23.2 | length 5.8
  L1 w0.152: R2_23.2@80.25,89.45 80.25,89.418 80.624,89.044 81.676,89.044 L1_23.1@82.2,88.52 84.07,88.52 85.15,89.6 R1_23.1@85.15,89.65
NetL1_24_1: L1_24.1 R1_24.1 R2_24.2 | length 5.8
  L1 w0.152: R2_24.2@97.75,90.7 97.75,90.668 98.124,90.294 99.176,90.294 L1_24.1@99.7,89.77 101.57,89.77 102.65,90.85 R1_24.1@102.65,90.9
NetL1_25_1: L1_25.1 R1_25.1 R2_25.2 | length 5.8
  L1 w0.152: R2_25.2@45.25,58.2 45.25,58.168 45.624,57.794 46.676,57.794 L1_25.1@47.2,57.27 49.07,57.27 50.15,58.35 R1_25.1@50.15,58.4
NetL1_26_1: L1_26.1 R1_26.1 R2_26.2 | length 5.8
  L1 w0.152: R2_26.2@62.75,56.95 62.75,56.918 63.124,56.544 64.176,56.544 L1_26.1@64.7,56.02 66.57,56.02 67.65,57.1 R1_26.1@67.65,57.15